# KiCad board Mainboard.kicad_pcb
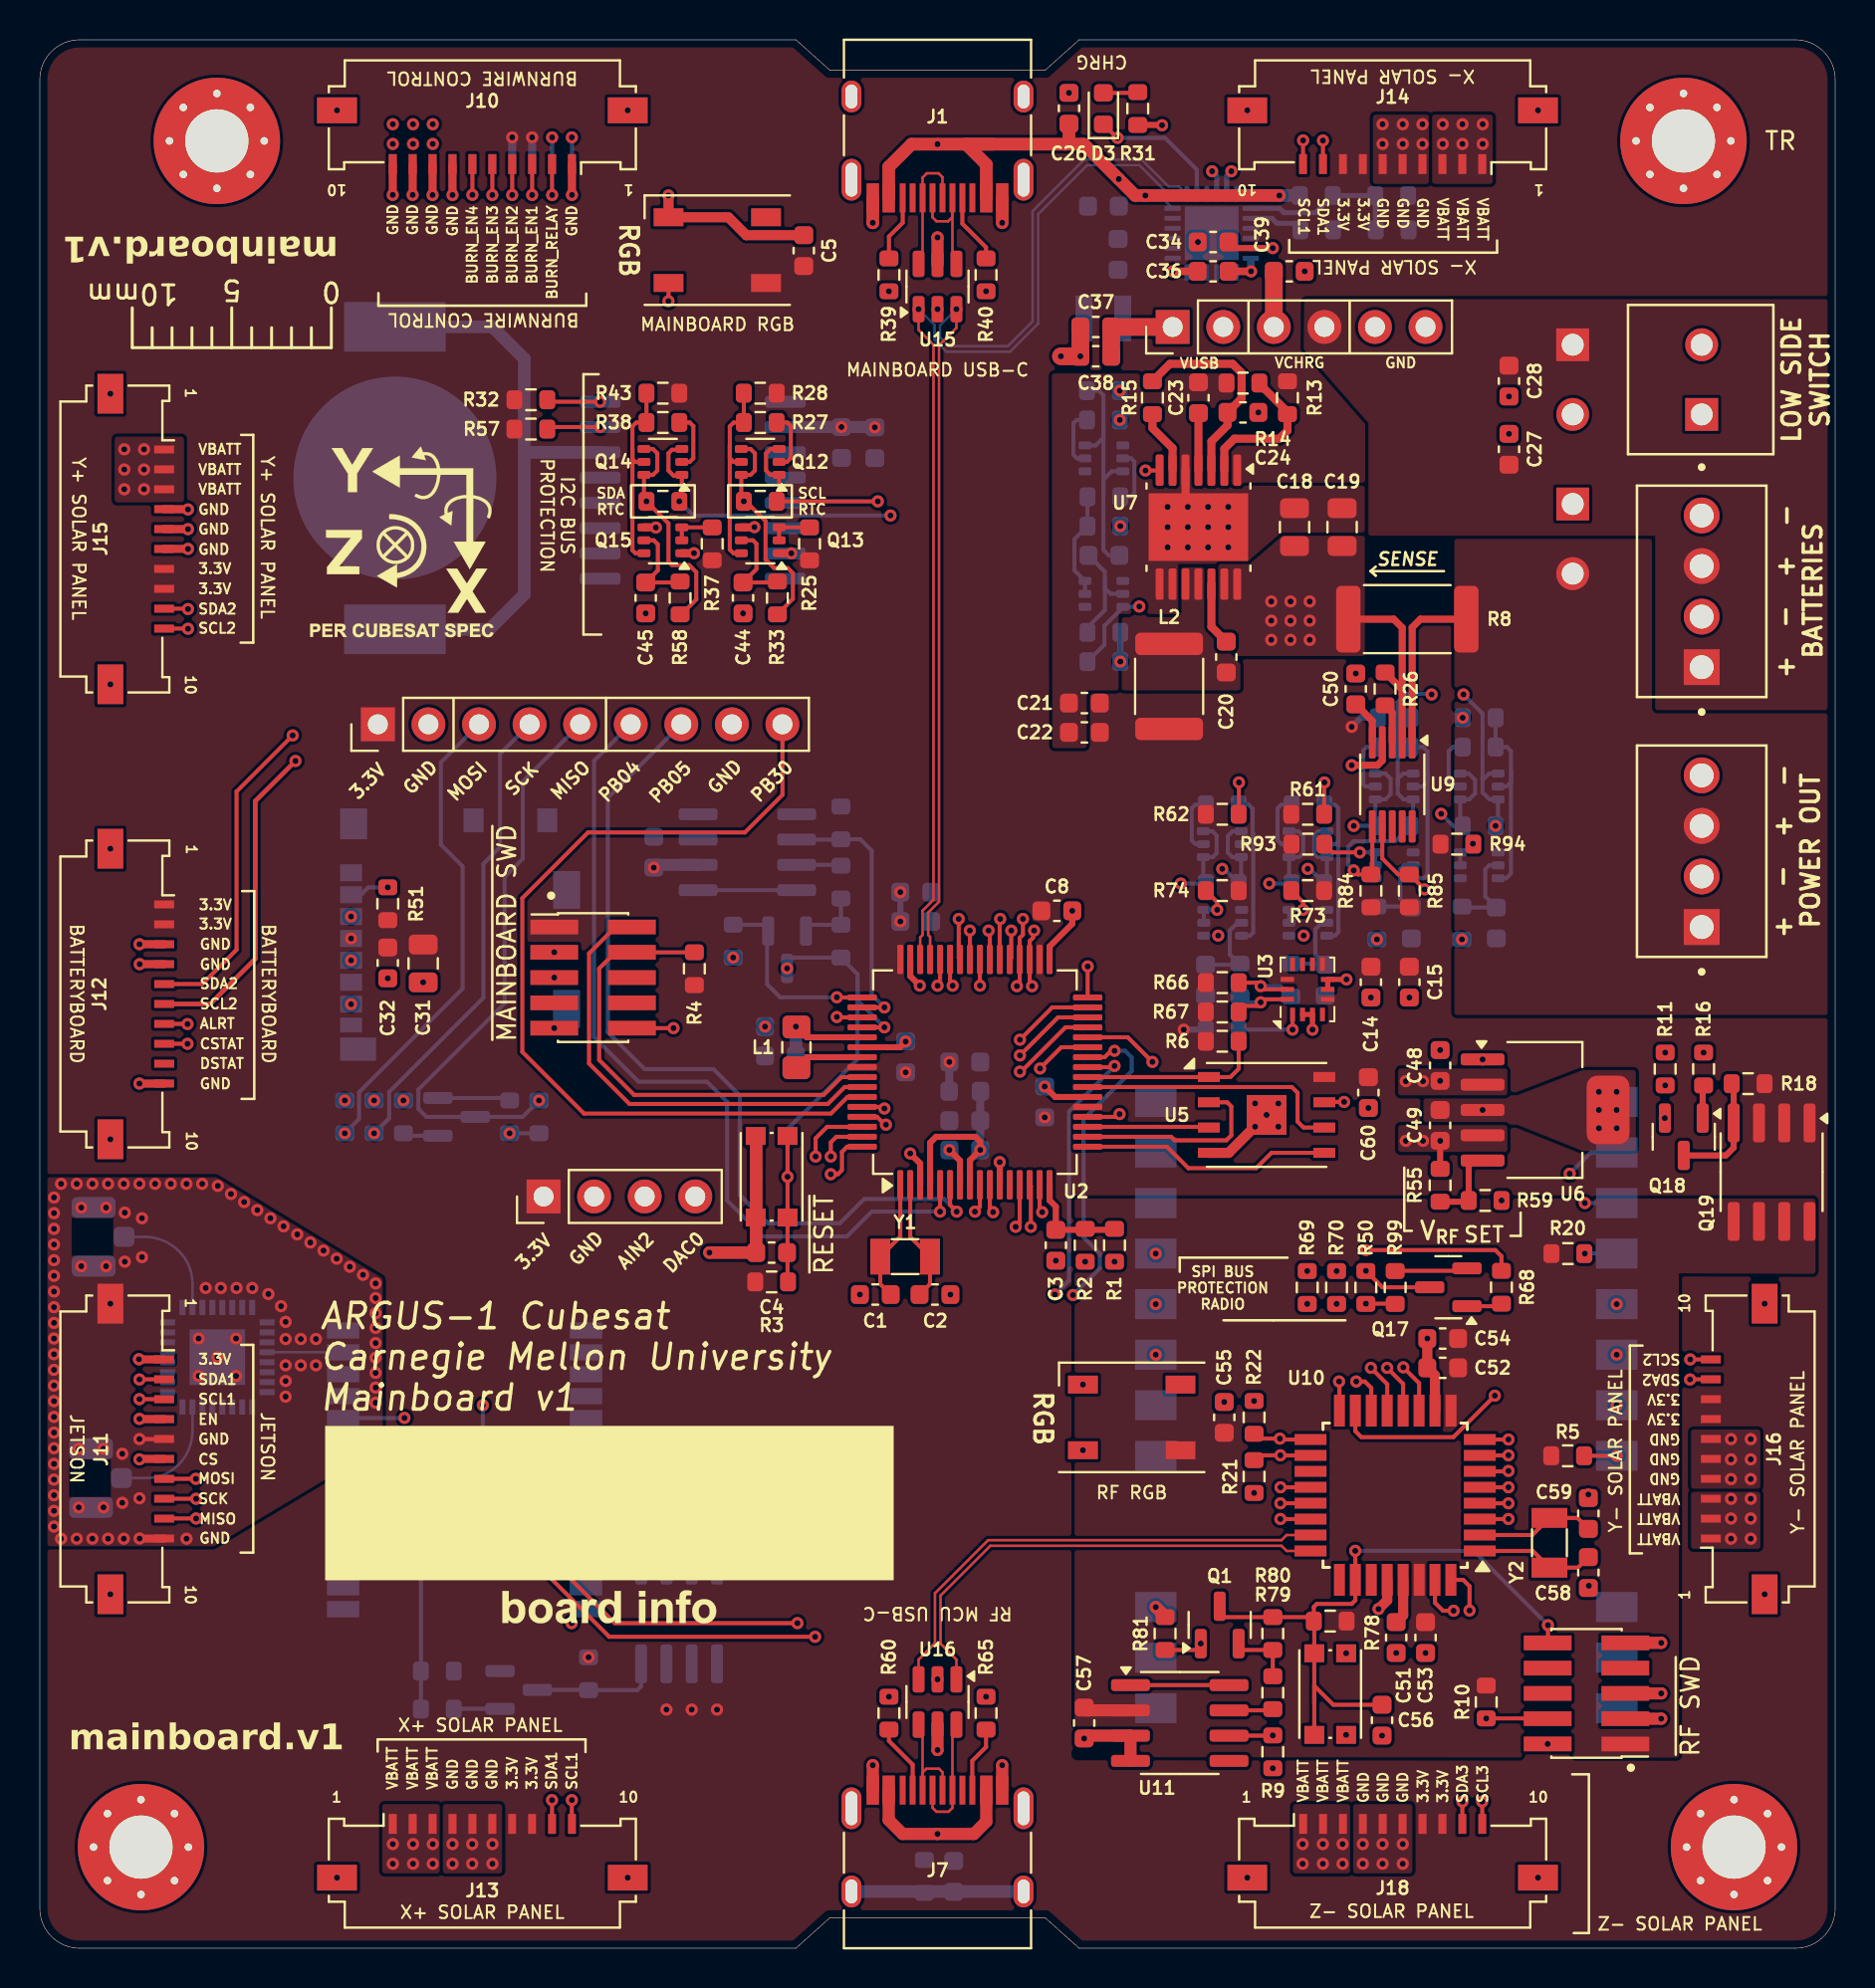
[diagram p0: board, top side]
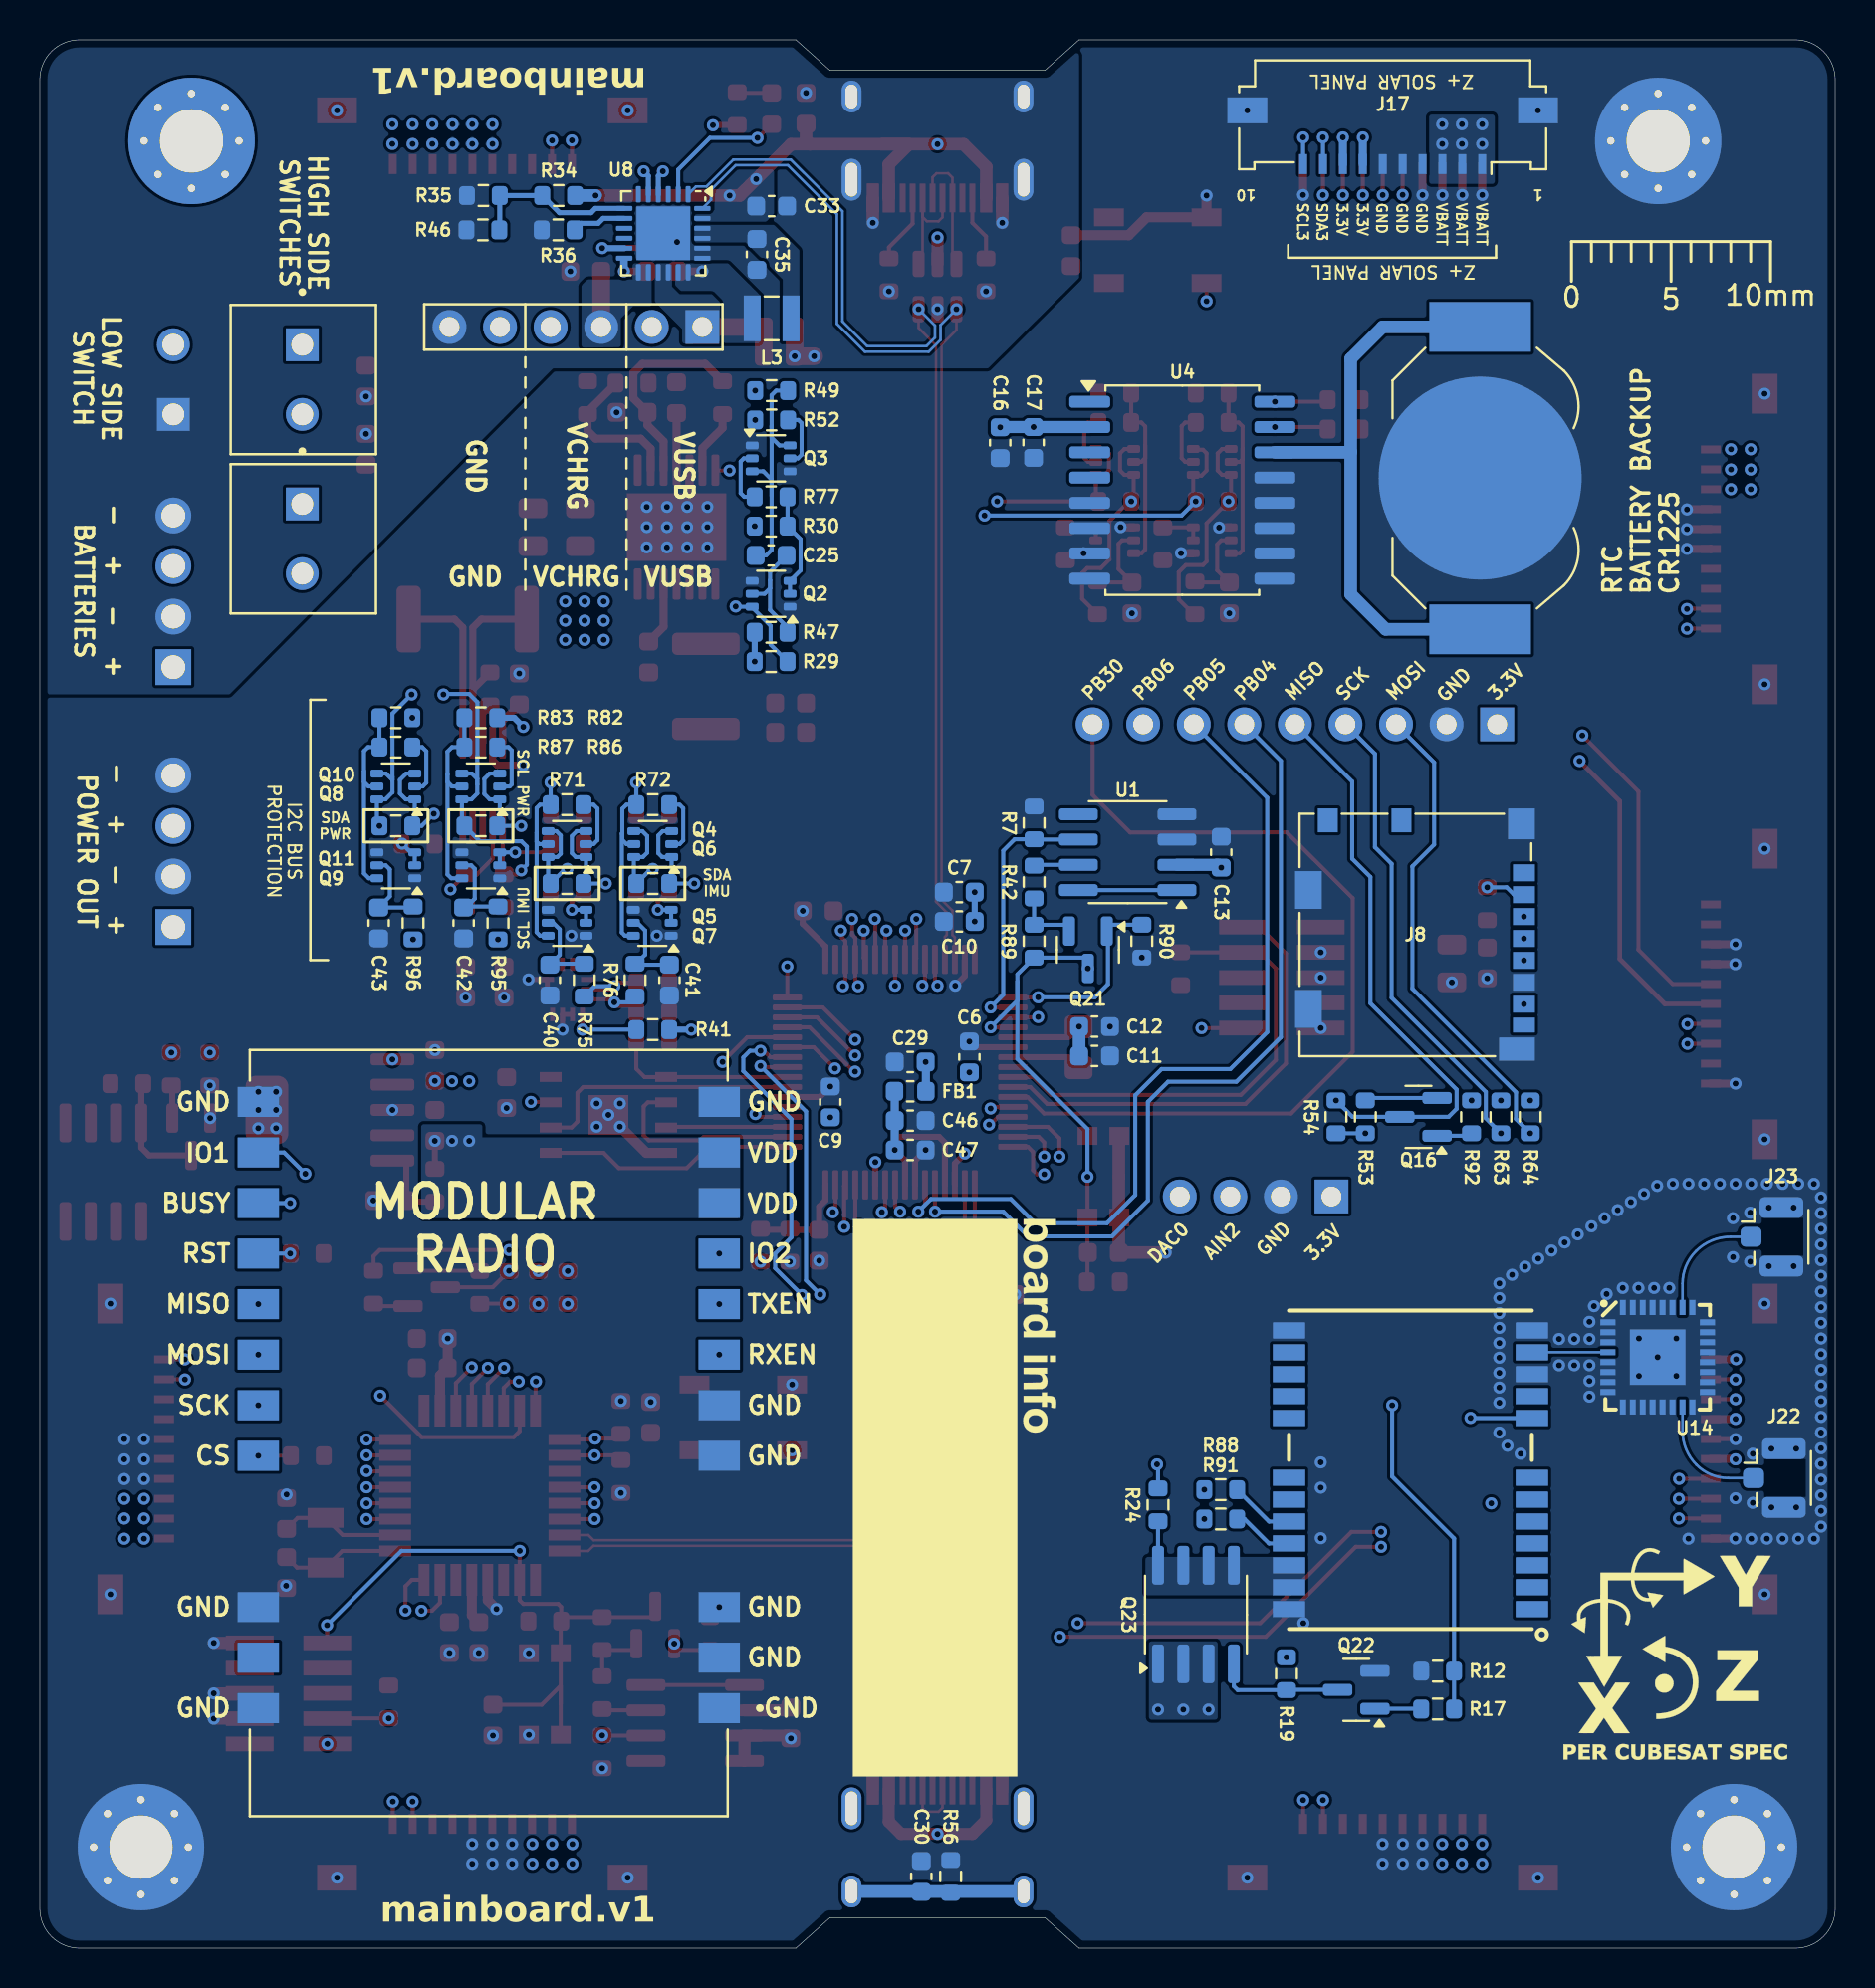
[diagram p1: board, bottom side, seen from below]

Outline 90.17 x 95.88 mm; copper layers: Top, Route2, Route15, Bottom. Coordinates in mm from the lower left corner of the outline.
Outline path: 0,93.88 0,2 arc(0.59,0.59) 2,0 37.97,0 39.67,1.52 50.5,1.52 52.2,0 88.17,0 arc(89.58,0.59) 90.17,2 90.17,93.88 arc(89.58,95.3) 88.17,95.88 52.2,95.88 50.5,94.36 39.67,94.36 37.97,95.88 2,95.88 arc(0.59,95.3) 0,93.88
Stack: Top 0.035mm / dielectric 0.48mm FR4 er 4.5 / Route2 0.035mm / dielectric 0.48mm FR4 er 4.5 / Route15 0.035mm / dielectric 0.48mm FR4 er 4.5 / Bottom 0.035mm

## Placement (name value [footprint] x y rotation side)
BT1  Battery_Cell  [BatteryHolder_LINX_BAT-HLD-012-SMT]  17.83 73.86 90 bottom
C1  8pF  [C_0603_1608Metric]  41.96 32.84 180 top
C2  8pF  [C_0603_1608Metric]  44.96 32.84 0 top
C3  0.1uF  [C_0603_1608Metric]  51.03 35.32 270 top
C4  1uF  [C_0603_1608Metric]  36.75 34.95 0 top
C5  0.1uF  [C_0603_1608Metric]  38.37 85.29 90 top
C6  0.1uF  [C_0603_1608Metric]  43.48 44.78 90 bottom
C7  0.1uF  [C_0603_1608Metric]  43.99 53.06 0 bottom
C8  0.1uF  [C_0603_1608Metric]  51.08 52.12 0 top
C9  0.1uF  [C_0603_1608Metric]  50.47 42.52 90 bottom
C10  10uF  [C_0603_1608Metric]  43.99 51.59 0 bottom
C11  0.1uF  [C_0603_1608Metric]  37.2 44.83 0 bottom
C12  4.7uF  [C_0603_1608Metric]  37.2 46.3 180 bottom
C13  0.1uF  [C_0603_1608Metric]  30.84 55.07 90 bottom
C14  0.1uF  [C_0603_1608Metric]  66.85 48.54 270 top
C15  0.1uF  [C_0603_1608Metric]  68.78 48.54 90 top
C16  10uF  [C_0603_1608Metric]  41.94 75.64 270 bottom
C17  0.1uF  [C_0603_1608Metric]  40.26 75.65 270 bottom
C18  100uF  [C_0805_2012Metric]  63.02 71.4 90 top
C19  100uF  [C_0805_2012Metric]  65.41 71.4 90 top
C20  0.1uF  [C_0603_1608Metric]  59.59 64.87 90 top
C21  22uF  [C_0603_1608Metric]  52.46 62.56 0 top
C22  22uF  [C_0603_1608Metric]  52.46 61.09 0 top
C23  3.3nF  [C_0603_1608Metric]  58.19 77.9 270 top
C24  1uF  [C_0603_1608Metric]  60.43 77.17 0 top
C25  10uF  [C_0603_1608Metric]  53.44 69.98 180 bottom
C26  4.7uF  [C_0603_1608Metric]  51.69 92.44 90 top
C27  0.1uF  [C_0603_1608Metric]  73.79 75.31 90 top
C28  22uF  [C_0603_1608Metric]  73.79 78.74 270 top
C29  10uF  [C_0603_1608Metric]  46.46 44.53 0 bottom
C30  4.7nF  [C_0603_1608Metric]  45.9 3.61 270 bottom
C31  47uF  [C_0805_2012Metric]  19.25 49.48 270 top
C32  0.1uF  [C_0603_1608Metric]  17.48 49.5 270 top
C33  1uF  [C_0603_1608Metric]  53.42 87.53 0 bottom
C34  4.7uF  [C_0603_1608Metric]  58.93 85.72 180 top
C35  10uF  [C_0603_1608Metric]  54.15 85.1 90 bottom
C36  47nF  [C_0603_1608Metric]  58.93 84.25 0 top
C37  22uF  [C_0603_1608Metric]  53.04 81.46 0 top
C38  22uF  [C_0603_1608Metric]  53.04 79.98 0 top
C39  10uF  [C_0603_1608Metric]  62.75 84.25 180 top
C40  10nF  [C_0603_1608Metric]  64.55 48.64 270 bottom
C41  10nF  [C_0603_1608Metric]  58.55 48.64 270 bottom
C42  10nF  [C_0603_1608Metric]  68.88 51.51 270 bottom
C43  10nF  [C_0603_1608Metric]  73.15 51.51 270 bottom
C44  10nF  [C_0603_1608Metric]  35.32 67.84 270 top
C45  10nF  [C_0603_1608Metric]  30.43 67.84 270 top
C46  10uF  [C_0603_1608Metric]  46.46 41.58 180 bottom
C47  0.1uF  [C_0603_1608Metric]  46.46 40.11 180 bottom
C48  10uF  [C_0603_1608Metric]  70.33 44.35 270 top
C49  10uF  [C_0603_1608Metric]  70.33 41.34 270 top
C50  3.3nF  [C_0603_1608Metric]  66.09 63.27 270 top
C51  1uF  [C_0603_1608Metric]  68.12 15.61 270 top
C52  0.1uF  [C_0603_1608Metric]  70.46 29.16 180 top
C53  0.1uF  [C_0603_1608Metric]  69.6 15.61 270 top
C54  10uF  [C_0603_1608Metric]  70.46 30.63 180 top
C55  0.1uF  [C_0603_1608Metric]  59.49 26.67 90 top
C56  1uF  [C_0603_1608Metric]  67.41 11.46 90 top
C57  0.1uF  [C_0603_1608Metric]  52.45 11.31 270 top
C58  8pF  [C_0603_1608Metric]  77.77 18.87 270 top
C59  8pF  [C_0603_1608Metric]  77.77 21.84 90 top
C60  0.1uF  [C_0603_1608Metric]  66.73 42.99 270 top
D1  WS2812B  [LED_WS2812B_PLCC4_5.0x5.0mm_P3.2mm]  34.02 85.32 180 top
D2  WS2812B  [LED_WS2812B_PLCC4_5.0x5.0mm_P3.2mm]  54.84 26.67 180 top
D3  GREEN LED  [LED_0603_1608Metric]  53.42 92.43 90 top
FB1  FerriteBead_Small  [L_0603_1608Metric]  46.46 43.05 0 bottom
H1  MountingHole_Pad  [MountingHole2]  8.89 90.8 0 top
H2  MountingHole_Pad  [MountingHole2]  82.55 90.8 0 top
H3  MountingHole_Pad  [MountingHole2]  85.09 5.08 0 top
H4  MountingHole_Pad  [MountingHole2]  5.08 5.08 0 top
J1  USB_C_Receptacle_USB2.0  [USB_C_Receptacle_HRO_TYPE-C-31-M-12]  45.09 91.99 180 top
J2  282834-4  [TE_282834-4]  83.46 68.17 90 top
J3  282834-4  [TE_282834-4]  83.46 55.12 90 top
J4  1985807  [PHOENIX_1985807]  87.06 75.06 90 top
J5  1985807  [PHOENIX_1985807]  80.59 82.56 270 bottom
J6  1985807  [PHOENIX_1985807]  80.59 74.56 270 bottom
J7  USB_C_Receptacle_USB2.0  [USB_C_Receptacle_HRO_TYPE-C-31-M-12]  45.09 3.9 0 top
J8  Micro_SD_Card_Det2  [microSD_HC_Molex_104031-0811]  21.08 50.93 270 bottom
J9  Conn_02x05_Odd_Even  [PinHeader_2x05_P1.27mm_Vertical_SMD]  27.79 48.77 0 top
J10  200528-0100  [Molex_200528-0100_1x10-1MP_P1.00mm_Horizontal]  22.23 90.55 180 top
J11  200528-0100  [Molex_200528-0100_1x10-1MP_P1.00mm_Horizontal]  5.33 25.08 270 top
J12  200528-0100  [Molex_200528-0100_1x10-1MP_P1.00mm_Horizontal]  5.33 47.94 270 top
J13  200528-0100  [Molex_200528-0100_1x10-1MP_P1.00mm_Horizontal]  22.23 5.33 0 top
J14  200528-0100  [Molex_200528-0100_1x10-1MP_P1.00mm_Horizontal]  67.94 90.55 180 top
J15  200528-0100  [Molex_200528-0100_1x10-1MP_P1.00mm_Horizontal]  5.33 70.8 270 top
J16  200528-0100  [Molex_200528-0100_1x10-1MP_P1.00mm_Horizontal]  84.84 25.08 90 top
J17  200528-0100  [Molex_200528-0100_1x10-1MP_P1.00mm_Horizontal]  22.23 90.55 0 bottom
J18  200528-0100  [Molex_200528-0100_1x10-1MP_P1.00mm_Horizontal]  67.94 5.33 0 top
J19  Conn_01x09  [PinHeader_1x09_P2.54mm_Vertical]  16.98 61.49 90 top
J20  Conn_01x04  [PinHeader_1x04_P2.54mm_Vertical]  25.3 37.77 90 top
J21  Conn_01x06  [PinHeader_1x06_P2.54mm_Vertical]  56.9 81.46 90 top
J22  U.FL-R-SMT-1  [U.FL_Hirose_U.FL-R-SMT-1_Vertical]  3.05 23.62 180 bottom
J23  U.FL-R-SMT-1  [U.FL_Hirose_U.FL-R-SMT-1_Vertical]  3.18 35.74 180 bottom
J24  Conn_02x05_Odd_Even  [PinHeader_2x05_P1.27mm_Vertical_SMD]  77.68 12.8 180 top
L1  10uH  [L_0805_2012Metric_Pad1.15x1.40mm_HandSolder]  38 45.26 270 top
L2  3.3uH  [L_1812_4532Metric]  56.72 63.4 270 top
L3  1uH  [L_Wuerth_MAPI-2510]  53.42 81.89 0 bottom
Q1  IRLML2803  [SOT-23]  59.26 16.24 90 top
Q2  MBT2222ADW1T1  [SOT-363_SC-70-6]  53.44 68.05 0 bottom
Q3  MBT2222ADW1T1  [SOT-363_SC-70-6]  53.44 74.85 180 bottom
Q4  MBT2222ADW1T1  [SOT-363_SC-70-6]  63.69 55.47 0 bottom
Q5  BSS138DWQ-7  [SOT-363_SC-70-6]  63.69 51.52 0 bottom
Q6  MBT2222ADW1T1  [SOT-363_SC-70-6]  59.39 55.47 0 bottom
Q7  BSS138DWQ-7  [SOT-363_SC-70-6]  59.41 51.52 0 bottom
Q8  MBT2222ADW1T1  [SOT-363_SC-70-6]  68.02 58.37 0 bottom
Q9  BSS138DWQ-7  [SOT-363_SC-70-6]  68.02 54.41 0 bottom
Q10  MBT2222ADW1T1  [SOT-363_SC-70-6]  72.29 58.37 0 bottom
Q11  BSS138DWQ-7  [SOT-363_SC-70-6]  72.29 54.41 0 bottom
Q12  MBT2222ADW1T1  [SOT-363_SC-70-6]  36.18 74.68 180 top
Q13  BSS138DWQ-7  [SOT-363_SC-70-6]  36.18 70.74 180 top
Q14  MBT2222ADW1T1  [SOT-363_SC-70-6]  31.29 74.68 180 top
Q15  BSS138DWQ-7  [SOT-363_SC-70-6]  31.29 70.74 180 top
Q16  MMBT2907  [SOT-23]  20.93 41.77 0 bottom
Q17  MMBT2907  [SOT-23]  70.74 33.21 180 top
Q18  IRLML2803  [SOT-23]  82.57 40.77 270 top
Q19  IRF7404  [SOIC-8_3.9x4.9mm_P1.27mm]  86.98 38.99 270 top
Q21  IRLML2803  [SOT-23]  37.53 50.17 270 bottom
Q22  IRLML2803  [SOT-23]  24.05 12.98 0 bottom
Q23  IRF7404  [SOIC-8_3.9x4.9mm_P1.27mm]  32.11 16.76 90 bottom
R1  316K  [R_0603_1608Metric]  53.97 35.32 90 top
R2  110K  [R_0603_1608Metric]  52.5 35.32 90 top
R3  10K  [R_0603_1608Metric]  36.75 33.48 0 top
R4  10K  [R_0603_1608Metric]  32.87 49.21 90 top
R5  10K  [R_0603_1608Metric]  76.73 24.74 0 top
R6  10K  [R_0603_1608Metric]  59.39 45.57 180 top
R7  10K  [R_0603_1608Metric]  40.23 56.54 90 bottom
R8  ?R  [R_2512_6332Metric]  68.68 66.78 0 top
R9  10K  [R_0603_1608Metric]  61.93 9.87 270 top
R10  10K  [R_0603_1608Metric]  72.64 12.37 270 top
R11  10K  [R_0603_1608Metric]  81.63 44.18 270 top
R12  10K  [R_0603_1608Metric]  19.96 13.92 0 bottom
R13  73.2K  [R_0603_1608Metric]  62.66 77.9 90 top
R14  22.1K  [R_0603_1608Metric]  60.43 78.64 0 top
R15  100K  [R_0603_1608Metric]  55.88 77.9 270 top
R16  4.7K  [R_0603_1608Metric]  83.56 44.18 270 top
R17  4.7K  [R_0603_1608Metric]  19.96 12.01 0 bottom
R18  3.3K  [R_0603_1608Metric]  85.8 43.44 180 top
R19  3.3K  [R_0603_1608Metric]  27.56 13.79 270 bottom
R20  10K  [R_0603_1608Metric]  76.75 34.9 0 top
R21  10K  [R_0603_1608Metric]  60.99 23.7 270 top
R22  10K  [R_0603_1608Metric]  60.99 26.67 90 top
R23  0R  [R_0603_1608Metric]  68.02 56.39 180 bottom
R24  10K  [R_0603_1608Metric]  34.01 22.28 270 bottom
R25  100K  [R_0603_1608Metric]  38.66 70.56 90 top
R26  1K  [R_0603_1608Metric]  67.56 63.27 270 top
R27  680R  [R_0603_1608Metric]  36.18 76.66 180 top
R28  10K  [R_0603_1608Metric]  36.18 78.13 180 top
R29  73.2K  [R_0603_1608Metric]  53.44 64.64 180 bottom
R30  100K  [R_0603_1608Metric]  53.44 71.45 180 bottom
R31  10K  [R_0603_1608Metric]  55.14 92.43 270 top
R32  10K  [R_0603_1608Metric]  24.66 77.8 0 top
R33  200K  [R_0603_1608Metric]  37.05 67.84 90 top
R34  5.23K  [R_0603_1608Metric]  64.11 88.06 0 bottom
R35  30.1K  [R_0603_1608Metric]  67.89 88.06 180 bottom
R36  3.16K  [R_0603_1608Metric]  64.14 86.33 180 bottom
R37  100K  [R_0603_1608Metric]  33.77 70.56 90 top
R38  680R  [R_0603_1608Metric]  31.29 76.66 180 top
R39  5.1K  [R_0603_1608Metric]  42.65 84.07 90 top
R40  5.1K  [R_0603_1608Metric]  47.52 84.07 90 top
R41  10K  [R_0603_1608Metric]  59.39 46.15 0 bottom
R42  0R  [R_0603_1608Metric]  40.23 53.57 90 bottom
R43  10K  [R_0603_1608Metric]  31.29 78.13 180 top
R44  0R  [R_0603_1608Metric]  72.29 56.39 180 bottom
R45  0R  [R_0603_1608Metric]  36.18 72.69 0 top
R46  10K  [R_0603_1608Metric]  67.92 86.33 180 bottom
R47  200K  [R_0603_1608Metric]  53.44 66.12 180 bottom
R48  0R  [R_0603_1608Metric]  31.29 72.69 0 top
R49  100K  [R_0603_1608Metric]  53.42 78.26 180 bottom
R50  0R  [R_0603_1608Metric]  66.6 33.2 90 top
R51  10K  [R_0603_1608Metric]  17.48 52.48 270 top
R52  10K  [R_0603_1608Metric]  53.42 76.78 0 bottom
R53  0R  [R_0603_1608Metric]  23.6 41.77 270 bottom
R54  0R  [R_0603_1608Metric]  25.07 41.77 90 bottom
R55  10K  [R_0603_1608Metric]  70.33 38.33 270 top
R56  1M  [R_0603_1608Metric]  44.42 3.61 270 bottom
R57  10K  [R_0603_1608Metric]  24.66 76.33 0 top
R58  200K  [R_0603_1608Metric]  32.16 67.84 90 top
R59  3.16K  [R_0603_1608Metric]  72.59 37.57 0 top
R60  5.1K  [R_0603_1608Metric]  42.65 11.81 270 top
R61  10K  [R_0603_1608Metric]  63.68 56.97 0 top
R62  10K  [R_0603_1608Metric]  59.39 56.97 0 top
R63  1K  [R_0603_1608Metric]  16.79 41.77 270 bottom
R64  1K  [R_0603_1608Metric]  15.32 41.77 270 bottom
R65  5.1K  [R_0603_1608Metric]  47.52 11.81 270 top
R66  10K  [R_0603_1608Metric]  59.39 48.51 0 top
R67  10K  [R_0603_1608Metric]  59.39 47.04 0 top
R68  4.7K  [R_0603_1608Metric]  73.41 33.21 90 top
R69  1K  [R_0603_1608Metric]  63.65 33.2 90 top
R70  1K  [R_0603_1608Metric]  65.13 33.2 270 top
R71  680R  [R_0603_1608Metric]  63.69 57.45 0 bottom
R72  680R  [R_0603_1608Metric]  59.39 57.45 0 bottom
R73  100K  [R_0603_1608Metric]  63.68 53.14 180 top
R74  100K  [R_0603_1608Metric]  59.39 53.14 180 top
R75  200K  [R_0603_1608Metric]  62.83 48.64 90 bottom
R76  200K  [R_0603_1608Metric]  60.27 48.64 90 bottom
R77  20K  [R_0603_1608Metric]  53.44 72.92 180 bottom
R78  10K  [R_0603_1608Metric]  64.81 16.43 180 top
R79  0R  [R_0603_1608Metric]  61.93 12.84 270 top
R80  DNI (0R)  [R_0603_1608Metric]  61.93 15.81 270 top
R81  200K  [R_0603_1608Metric]  56.52 15.81 90 top
R82  10K  [R_0603_1608Metric]  68.02 61.82 0 bottom
R83  10K  [R_0603_1608Metric]  72.29 61.82 0 bottom
R84  10K  [R_0603_1608Metric]  66.85 53.12 90 top
R85  10K  [R_0603_1608Metric]  68.78 53.12 90 top
R86  680R  [R_0603_1608Metric]  68.02 60.35 0 bottom
R87  680R  [R_0603_1608Metric]  72.29 60.35 0 bottom
R88  0R  [R_0603_1608Metric]  30.86 23.04 180 bottom
R89  DNI (0R)  [R_0603_1608Metric]  40.23 50.6 90 bottom
R90  200K  [R_0603_1608Metric]  34.82 50.6 270 bottom
R91  0R  [R_0603_1608Metric]  30.86 21.56 180 bottom
R92  4.7K  [R_0603_1608Metric]  18.26 41.77 90 bottom
R93  100K  [R_0603_1608Metric]  63.69 55.47 0 top
R94  100K  [R_0603_1608Metric]  71.17 55.47 0 top
R95  200K  [R_0603_1608Metric]  67.16 51.51 90 bottom
R96  200K  [R_0603_1608Metric]  71.42 51.51 90 bottom
R97  0R  [R_0603_1608Metric]  63.69 53.49 180 bottom
R98  0R  [R_0603_1608Metric]  59.39 53.49 180 bottom
R99  0R  [R_0603_1608Metric]  68.07 33.2 270 top
REF**  VAL**  [board_info_block]  28.6 21.29 0 top
REF**#2  -  [Battery_CR1225]  148.62 -15.8 0 top
REF**#3  -  [Gauge_10mm_Type1_SilkScreenTop]  14.64 80.42 180 top
REF**#4  VAL**  [board_info_block_bot]  44.22 22.63 270 bottom
REF**#5  Val**  [XYZ_cubesat-bot]  18.19 70.66 180 bottom
REF**#6  Val**  [XYZ_cubesat-top]  8.1 14.39 180 bottom
REF**#7  -  [Gauge_10mm_Type1_SilkScreenTop]  13.24 85.75 180 bottom
SW1  KMR231NG LFS  [SW_Push_1P1T_NO_CK_KMR2]  36.75 38.76 270 top
SW2  KMR231NG LFS  [SW_Push_1P1T_NO_CK_KMR2]  64.81 12.77 90 top
U1  MAX706RESA+  [SOIC-8_3.9x4.9mm_P1.27mm]  35.53 55.07 0 bottom
U2  ATSAMD51J20A-AU  [TQFP-64_10x10mm_P0.5mm]  46.96 44.02 90 top
U3  BMX160  [Bosch_LGA-14_3x2.5mm_P0.5mm]  63.67 48.18 90 top
U4  DS3231S  [SOIC-16W_7.5x10.3mm_P1.27mm]  32.79 73.25 180 bottom
U5  MR25H40MDF  [DFN-8-1EP_6x5mm_P1.27mm_EP2x2mm]  61.61 41.87 0 top
U6  TPS7A4501DCQT  [SOT-223-6]  75.6 42.12 0 top
U7  TPS54226PWPR  [HTSSOP-14-1EP_4.4x5mm_P0.65mm_EP3.4x5mm_Mask3x3.1mm]  58.19 71.4 270 top
U8  BQ25883RGER  [Texas_RGE0024H_VQFN-24-1EP_4x4mm_P0.5mm_EP2.7x2.7mm]  58.86 86.16 270 bottom
U9  ADM1176-1ARMZ-R7  [MSOP-10_3x3mm_P0.5mm]  67.92 58.48 270 top
U10  ATSAMD21E18A-A  [TQFP-32_7x7mm_P0.8mm]  68.07 22.76 180 top
U11  MAX706RESA+  [SOIC-8_3.9x4.9mm_P1.27mm]  57.25 11.31 0 top
U12  E22-900M30S  [XCVR_E22-900M30S]  67.62 25.88 180 bottom
U13  S1216V8  [S1216_24PIN_PACKAGE]  21.08 24.66 180 bottom
U14  -  [EP2W+]  8.92 29.69 180 bottom
U15  USBLC6-2SC6  [SOT-23-6]  45.09 83.49 90 top
U16  USBLC6-2SC6  [SOT-23-6]  45.09 12.37 270 top
Y1  32.768kHz  [Crystal_SMD_3215-2Pin_3.2x1.5mm]  43.46 34.75 180 top
Y2  32.768kHz  [Crystal_SMD_3215-2Pin_3.2x1.5mm]  75.82 20.37 270 top

## Library data of the parts
BT1 = -: Description: Single-cell battery
C1-C12 C14-C24 C29 C46 C47 C51-C56 C58-C60 = -: Description: Unpolarized capacitor, small symbol; ki_fp_filters: C_*
C13 C30 C57 = -: ki_fp_filters: C_*
C25 C35 C39 C48 C49 = -: Description: 10uF +-20% 10V X5R; ki_fp_filters: C_*
C26 C34 = -: Description: 4.7uF +-20% 10V X5R; ki_fp_filters: C_*
C27 C31 C32 = -: Description: 0.1uF +-10% 50V X7R 0603; ki_fp_filters: C_*
C28 C37 C38 = -: Description: 22uF +-20% 10V X5R; ki_fp_filters: C_*
C33 = -: Description: 1uF 0603 X7R; ki_fp_filters: C_*
C36 = -: Description: 47nF +-10% 50V X7R; ki_fp_filters: C_*
C40-C45 = -: Description: 10nF +-10% 50V X7R; ki_fp_filters: C_*
C50 = -: Description: 3.3nF +-10% 100V X7R 0603; ki_fp_filters: C_*
D1 D2 = -: Datasheet: https://cdn-shop.adafruit.com/datasheets/WS2812B.pdf; Description: RGB LED "Neopixel"; Flight: WS2812B-B; Manufacturer_Name: Worldsemi; Manufacturer_Part_Number: WS2812B-B; Proto: WS2812B-B; Field8: 1; ki_fp_filters: LED*WS2812*PLCC*5.0x5.0mm*P3.2mm*
D3 = -: Datasheet: https://optoelectronics.liteon.com/upload/download/DS22-2000-074/LTST-C190KGKT.PDF; Description: Green LED; Flight: LTST-C190KGKT; Manufacturer_Name: Lite-On Inc.; Manufacturer_Part_Number: LTST-C190KGKT; Proto: LTST-C190KGKT; ki_fp_filters: LED* LED_SMD:* LED_THT:*
FB1 = -: Description: Ferrite bead, small symbol; ki_fp_filters: Inductor_* L_* *Ferrite*
H1-H4 = -: DNI: DNI; ki_fp_filters: MountingHole*Pad*
J1 J7 = -: Datasheet: https://www.usb.org/sites/default/files/documents/usb_type-c.zip; Description: USB 2.0-only 16P Type-C Receptacle connector; Flight: U262-161N-4BVC11; Manufacturer_Name: XKB Connectivity; Manufacturer_Part_Number: U262-161N-4BVC11; Proto: U262-161N-4BVC11; ki_fp_filters: USB*C*Receptacle*
J2 J3 J20 = -: Description: Generic connector, single row, 01x04, script generated (kicad-library-utils/schlib/autogen/connector/); ki_fp_filters: Connector*:*_1x??_*
J4-J6 = -: Description: Generic connector, single row, 01x02, script generated (kicad-library-utils/schlib/autogen/connector/); Manufacturer_Name: Phoenix Contact; ki_fp_filters: Connector*:*_1x??_*
J8 = -: Datasheet: https://www.hirose.com/en/product/document?clcode=&productname=&series=DM3&documenttype=Catalog&lang=en&documentid=D49662_en; Description: Micro SD Card Socket with two card detection pins; ki_fp_filters: microSD*
J9 J24 = -: Description: Generic connector, double row, 02x05, odd/even pin numbering scheme (row 1 odd numbers, row 2 even numbers), script generated (kicad-library-utils/schlib/autogen/connector/); ki_fp_filters: Connector*:*_2x??_*
J10-J18 = -: Description: Generic connectable mounting pin connector, single row, 01x10, script generated (kicad-library-utils/schlib/autogen/connector/); ki_fp_filters: Connector*:*_1x??-1MP*
J19 = -: Description: Generic connector, single row, 01x09, script generated (kicad-library-utils/schlib/autogen/connector/); ki_fp_filters: Connector*:*_1x??_*
J21 = -: Description: 6-pin Horizontal Header - 0.1in (2.54mm); DNI: DNI; ki_fp_filters: Connector*:*_1x??_*
J22 J23 = -: Description: small coaxial connector (BNC, SMA, SMB, SMC, Cinch/RCA, LEMO, ...); ki_fp_filters: *BNC* *SMA* *SMB* *SMC* *Cinch* *LEMO* *UMRF* *MCX* *U.FL*
L1 = -: Description: Inductor, small symbol; Flight: MGFL2012F100MT-LF; Manufacturer_Name: MicroGate; Manufacturer_Part_Number: MGFL2012F100MT-LF; Proto: MGFL2012F100MT-LF; ki_fp_filters: Choke_* *Coil* Inductor_* L_*
L2 = -: Datasheet: https://datasheet.lcsc.com/lcsc/2009171412_TAI-TECH-HPC5040NF-3R3MTH_C304367.pdf; Description: 3.3uH Shielded Inductor; Flight: SPM5030T-3R3M-HZ; Manufacturer_Name: TAI-TECH; Manufacturer_Part_Number: HPC5040NF-3R3MTH; Proto: HPC5040NF-3R3MTH; ki_fp_filters: Choke_* *Coil* Inductor_* L_*
L3 = -: Datasheet: https://datasheet.lcsc.com/lcsc/1912111437_PSA-Prosperity-Dielectrics-MCS25GD-1R0MMP_C375955.pdf; Description: 1uH Shielded Inductor; Flight: DFE252012F-1R0M; Manufacturer_Name: Prosperity Dielectrics; Manufacturer_Part_Number: MCS25GD-1R0MMP; Proto: MCS25GD-1R0MMP; ki_fp_filters: Choke_* *Coil* Inductor_* L_*